# KiCad board fmc_memory_adapter.kicad_pcb (continued)
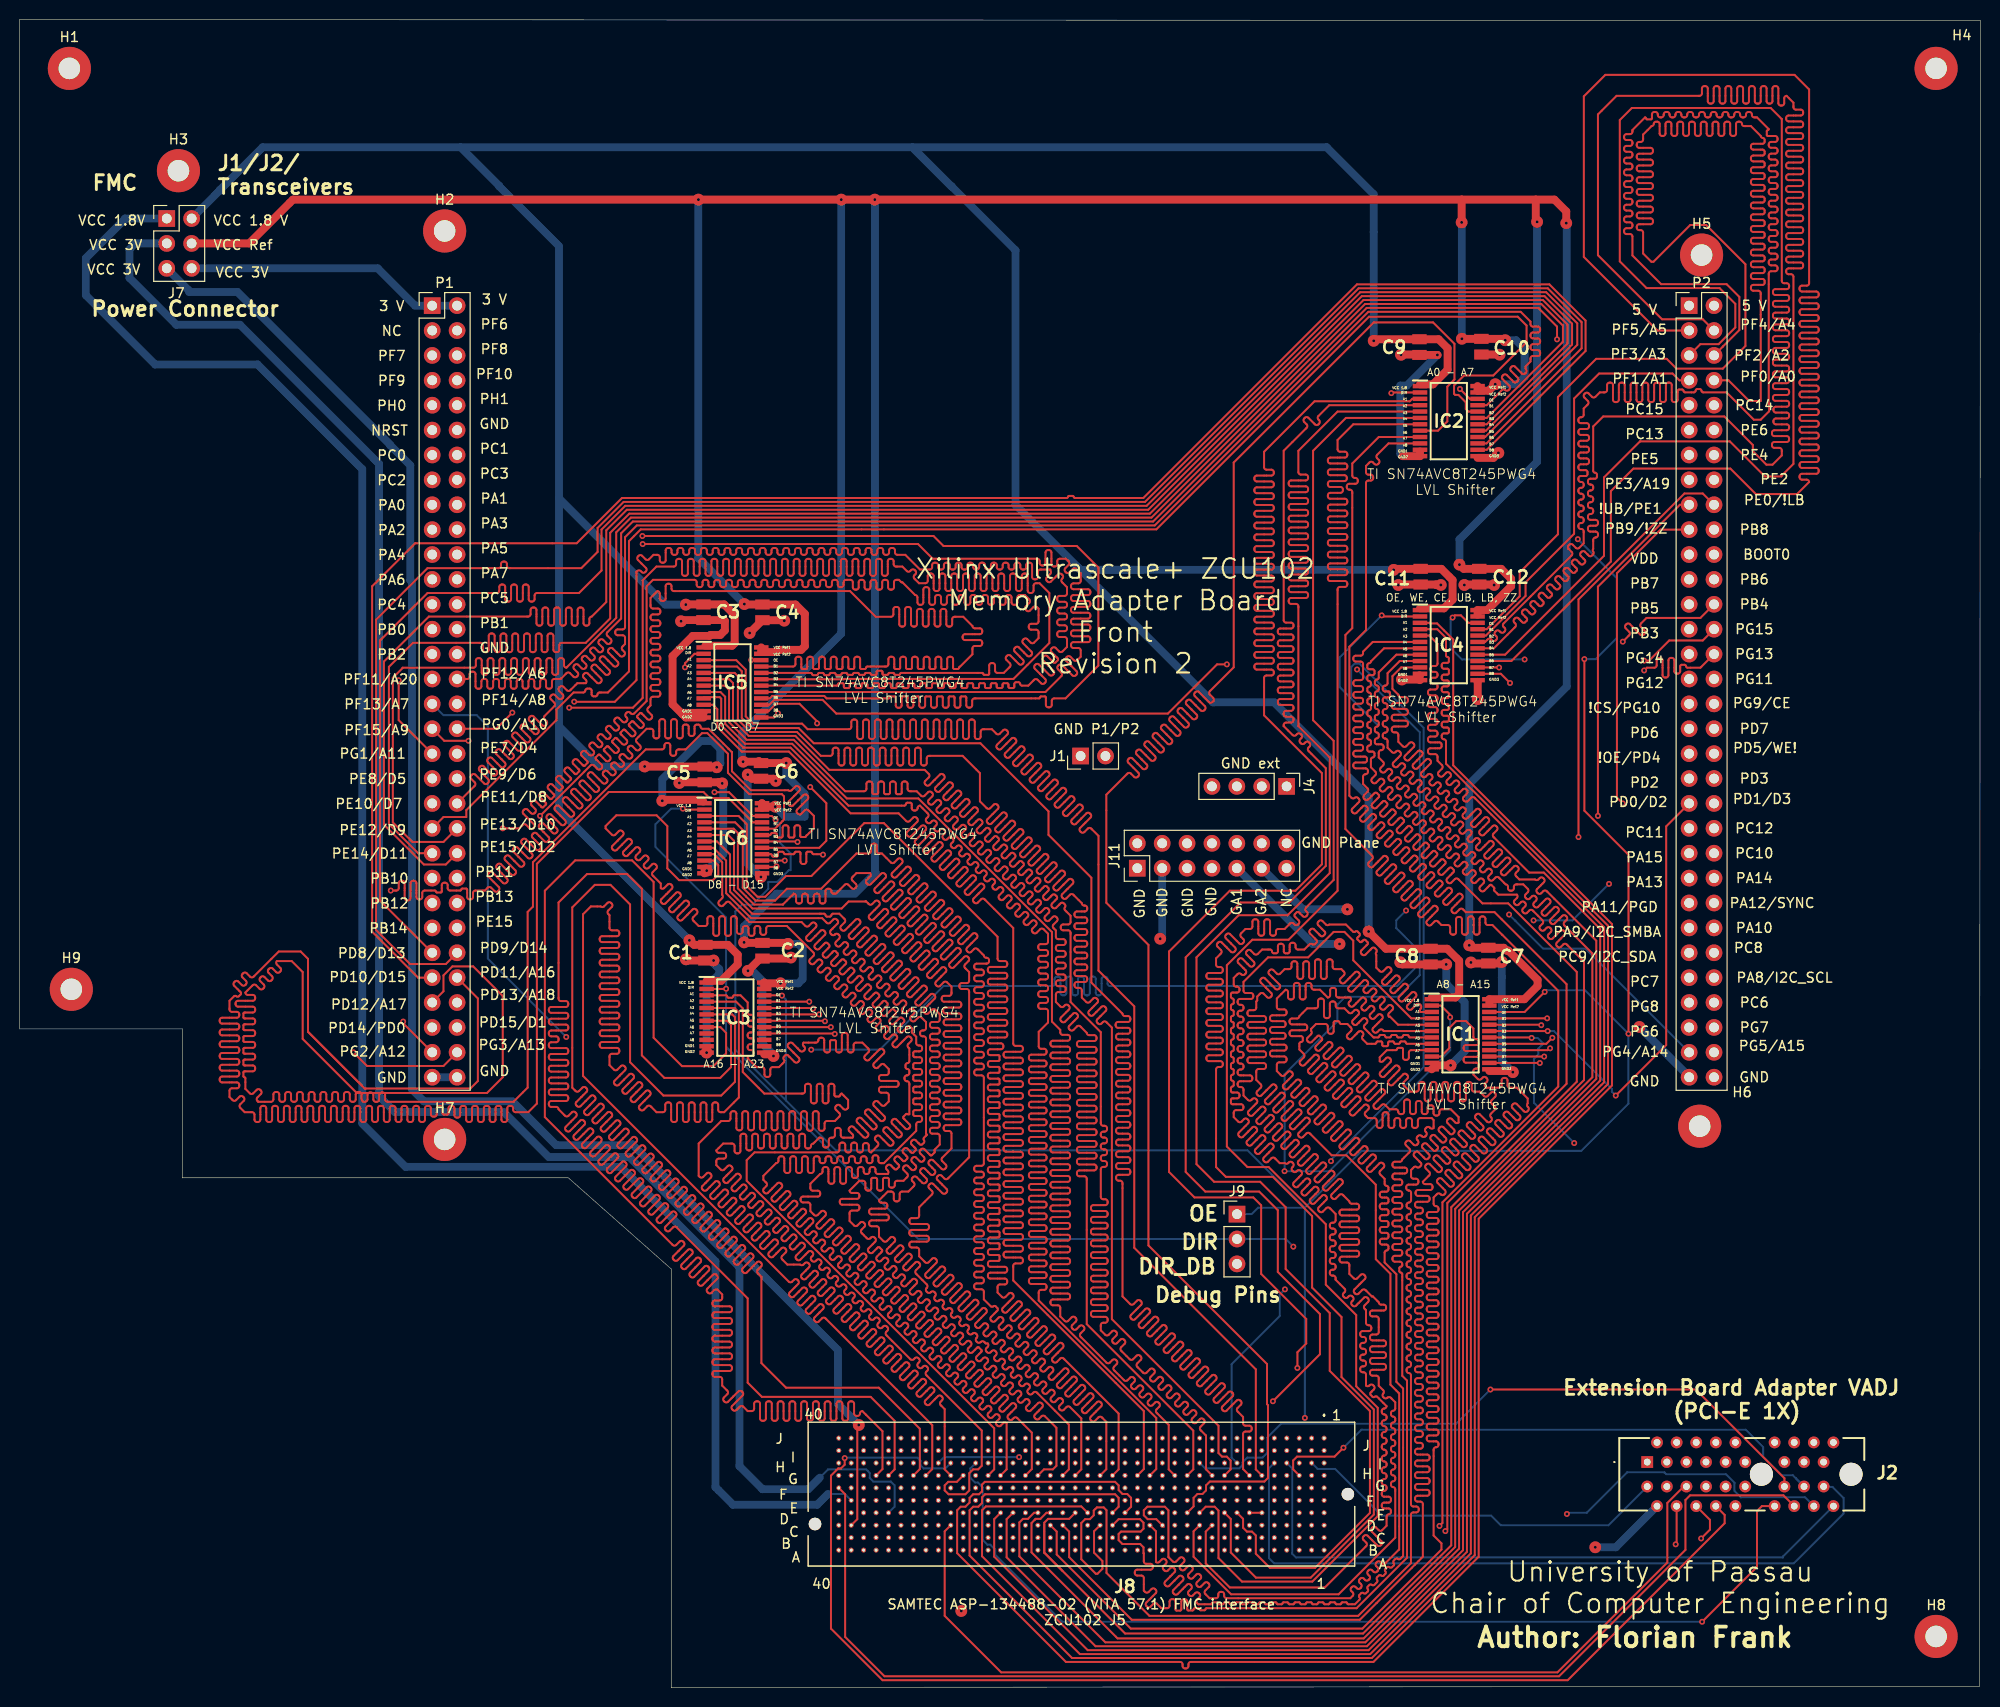
[diagram p0: board, top side]
## Routing (per net, layer and track width the routed paths; a pad name or vN(x,y) marks a point on that pad's centre or on a via; arc(x,y) is an arc through that point) (continued)
Net-(IC4-B7): length 196.9
  Top w0.2: IC4.15 150.98,104.09 v2(150.99,104.08) ; P1.32 45.69,102.91 arc(45.86,102.98) 45.93,103.15 45.93,103.41 arc(46,103.58) 46.17,103.65 46.29,103.65 arc(46.46,103.58) 46.53,103.41 46.53,102.16 arc(46.6,101.99) 46.77,101.92 46.89,101.92 arc(47.06,101.99) 47.13,102.16 47.13,102.67 arc(47.2,102.84) 47.37,102.91 47.49,102.91 arc(47.66,102.84) 47.73,102.67 47.73,102.16 arc(47.8,101.99) 47.97,101.92 48.09,101.92 arc(48.26,101.99) 48.33,102.16 48.33,102.67 arc(48.4,102.84) 48.57,102.91 48.69,102.91 arc(48.86,102.84) 48.93,102.67 48.93,102.16 arc(49,101.99) 49.17,101.92 49.29,101.92 arc(49.46,101.99) 49.53,102.16 49.53,102.67 arc(49.6,102.84) 49.77,102.91 49.89,102.91 arc(50.06,102.84) 50.13,102.67 50.13,102.16 arc(50.2,101.99) 50.37,101.92 50.49,101.92 arc(50.66,101.99) 50.73,102.16 50.73,102.67 arc(50.8,102.84) 50.97,102.91 51.09,102.91 arc(51.26,102.84) 51.33,102.67 51.33,102.16 arc(51.4,101.99) 51.57,101.92 51.69,101.92 arc(51.86,101.99) 51.93,102.16 51.93,102.67 arc(52,102.84) 52.17,102.91 52.29,102.91 arc(52.46,102.84) 52.53,102.67 52.53,102.16 arc(52.6,101.99) 52.77,101.92 52.89,101.92 arc(53.06,101.99) 53.13,102.16 53.13,102.67 arc(53.2,102.84) 53.37,102.91 53.49,102.91 arc(53.66,102.84) 53.73,102.67 53.73,102.16 arc(53.8,101.99) 53.97,101.92 54.09,101.92 arc(54.26,101.99) 54.33,102.16 54.33,102.67 arc(54.4,102.84) 54.57,102.91 55.22,102.91 55.82,103.51 arc(55.99,103.58) 56.16,103.51 56.52,103.15 arc(56.69,103.08) 56.86,103.15 56.94,103.23 arc(57.01,103.4) 56.94,103.57 56.58,103.94 arc(56.51,104.11) 56.58,104.28 56.67,104.36 arc(56.84,104.43) 57.01,104.36 57.37,104 arc(57.54,103.93) 57.71,104 57.79,104.08 arc(57.86,104.25) 57.79,104.42 57.43,104.78 arc(57.36,104.95) 57.43,105.12 57.52,105.21 arc(57.68,105.28) 57.85,105.21 58.22,104.85 arc(58.39,104.78) 58.56,104.85 58.64,104.93 arc(58.71,105.1) 58.64,105.27 58.28,105.63 arc(58.21,105.8) 58.28,105.97 58.36,106.06 arc(58.53,106.13) 58.7,106.06 59.07,105.69 arc(59.24,105.62) 59.41,105.69 59.49,105.78 arc(59.56,105.95) 59.49,106.12 59.13,106.48 arc(59.06,106.65) 59.13,106.82 59.21,106.91 arc(59.38,106.98) 59.55,106.91 59.91,106.54 arc(60.08,106.47) 60.25,106.54 60.34,106.63 arc(60.41,106.8) 60.34,106.97 59.98,107.33 arc(59.91,107.5) 59.98,107.67 61.39,109.08 61.39,117.78 62.59,118.98 115.67,118.98 137.47,140.78 154.99,140.78 156.9,138.87 v2(156.9,137.57)
  In2.Cu w0.2: v2(150.99,104.08) 161.09,114.18 161.09,133.38 v2(156.9,137.57)
Net-(IC4-B8): length 189.4
  Top w0.2: v2(152.1,102.5) 151.16,103.44 IC4.14
  In2.Cu w0.2: v2(80.79,65.08) 77.36,61.65 60.51,61.65 v2(55.79,66.38) ; v2(152.1,102.5) 153,101.6 153,100.3 141.49,88.79 v2(141.49,79.28)
  Bottom w0.2: v2(141.49,79.28) 140.49,78.28 140.49,77.48 142.39,75.58 142.39,73.38 140.59,71.58 111.26,71.58 arc(111.09,71.65) 111.02,71.82 111.02,72.29 arc(110.95,72.46) 110.78,72.53 110.66,72.53 arc(110.49,72.46) 110.42,72.29 110.42,70.86 arc(110.35,70.69) 110.18,70.62 110.06,70.62 arc(109.89,70.69) 109.82,70.86 109.82,72.29 arc(109.75,72.46) 109.58,72.53 109.46,72.53 arc(109.29,72.46) 109.22,72.29 109.22,70.86 arc(109.15,70.69) 108.98,70.62 108.86,70.62 arc(108.69,70.69) 108.62,70.86 108.62,72.29 arc(108.55,72.46) 108.38,72.53 108.26,72.53 arc(108.09,72.46) 108.02,72.29 108.02,70.86 arc(107.95,70.69) 107.78,70.62 107.66,70.62 arc(107.49,70.69) 107.42,70.86 107.42,72.29 arc(107.35,72.46) 107.18,72.53 107.06,72.53 arc(106.89,72.46) 106.82,72.29 106.82,70.86 arc(106.75,70.69) 106.58,70.62 106.46,70.62 arc(106.29,70.69) 106.22,70.86 106.22,72.29 arc(106.15,72.46) 105.98,72.53 105.86,72.53 arc(105.69,72.46) 105.62,72.29 105.62,71.82 arc(105.55,71.65) 105.38,71.58 94.29,71.58 87.79,65.08 v2(80.79,65.08) ; v2(55.79,66.38) 47.79,74.38 47.79,98.08 46.65,99.22 43.26,99.22 P1.33
Net-(IC5-A1): length 200.6
  Top w0.2: IC5.3 73.14,104.83 74.1,103.87 74.1,99.1 74.85,98.35 79.85,98.35 80.42,97.78 84.64,97.78 arc(84.81,97.85) 84.88,98.02 84.88,98.53 arc(84.95,98.7) 85.12,98.77 85.24,98.77 arc(85.41,98.7) 85.48,98.53 85.48,97.03 arc(85.55,96.86) 85.72,96.79 85.84,96.79 arc(86.01,96.86) 86.08,97.03 86.08,98.53 arc(86.15,98.7) 86.32,98.77 86.44,98.77 arc(86.61,98.7) 86.68,98.53 86.68,97.03 arc(86.75,96.86) 86.92,96.79 87.04,96.79 arc(87.21,96.86) 87.28,97.03 87.28,98.53 arc(87.35,98.7) 87.52,98.77 87.64,98.77 arc(87.81,98.7) 87.88,98.53 87.88,97.03 arc(87.95,96.86) 88.12,96.79 88.24,96.79 arc(88.41,96.86) 88.48,97.03 88.48,98.53 arc(88.55,98.7) 88.72,98.77 88.84,98.77 arc(89.01,98.7) 89.08,98.53 89.08,97.03 arc(89.15,96.86) 89.32,96.79 89.44,96.79 arc(89.61,96.86) 89.68,97.03 89.68,98.53 arc(89.75,98.7) 89.92,98.77 90.04,98.77 arc(90.21,98.7) 90.28,98.53 90.28,97.03 arc(90.35,96.86) 90.52,96.79 90.64,96.79 arc(90.81,96.86) 90.88,97.03 90.88,98.53 arc(90.95,98.7) 91.12,98.77 91.24,98.77 arc(91.41,98.7) 91.48,98.53 91.48,97.03 arc(91.55,96.86) 91.72,96.79 91.84,96.79 arc(92.01,96.86) 92.08,97.03 92.08,98.53 arc(92.15,98.7) 92.32,98.77 92.44,98.77 arc(92.61,98.7) 92.68,98.53 92.68,97.03 arc(92.75,96.86) 92.92,96.79 93.04,96.79 arc(93.21,96.86) 93.28,97.03 93.28,98.53 arc(93.35,98.7) 93.52,98.77 93.64,98.77 arc(93.81,98.7) 93.88,98.53 93.88,97.03 arc(93.95,96.86) 94.12,96.79 94.24,96.79 arc(94.41,96.86) 94.48,97.03 94.48,98.53 arc(94.55,98.7) 94.72,98.77 94.84,98.77 arc(95.01,98.7) 95.08,98.53 95.08,97.03 arc(95.15,96.86) 95.32,96.79 95.44,96.79 arc(95.61,96.86) 95.68,97.03 95.68,98.53 arc(95.75,98.7) 95.92,98.77 96.04,98.77 arc(96.21,98.7) 96.28,98.53 96.28,97.03 arc(96.35,96.86) 96.52,96.79 96.64,96.79 arc(96.81,96.86) 96.88,97.03 96.88,98.53 arc(96.95,98.7) 97.12,98.77 97.24,98.77 arc(97.41,98.7) 97.48,98.53 97.48,97.03 arc(97.55,96.86) 97.72,96.79 97.84,96.79 arc(98.01,96.86) 98.08,97.03 98.08,97.54 arc(98.15,97.71) 98.32,97.78 99.22,97.78 99.68,97.32 arc(99.85,97.25) 100.02,97.32 100.38,97.68 arc(100.55,97.75) 100.72,97.68 100.81,97.6 arc(100.88,97.43) 100.81,97.26 99.74,96.19 arc(99.67,96.02) 99.74,95.85 99.83,95.77 arc(100,95.7) 100.17,95.77 101.23,96.83 arc(101.4,96.9) 101.57,96.83 101.66,96.75 arc(101.73,96.58) 101.66,96.41 100.59,95.34 arc(100.52,95.18) 100.59,95.01 100.67,94.92 arc(100.84,94.85) 101.01,94.92 102.08,95.99 arc(102.25,96.06) 102.42,95.99 102.5,95.9 arc(102.57,95.73) 102.5,95.56 101.44,94.5 arc(101.37,94.33) 101.44,94.16 101.52,94.07 arc(101.69,94) 101.86,94.07 102.93,95.14 arc(103.1,95.21) 103.27,95.14 103.35,95.05 arc(103.42,94.88) 103.35,94.71 102.29,93.65 arc(102.22,93.48) 102.29,93.31 102.37,93.22 arc(102.54,93.15) 102.71,93.22 103.78,94.29 arc(103.95,94.36) 104.12,94.29 104.2,94.2 arc(104.27,94.03) 104.2,93.86 103.14,92.8 arc(103.07,92.63) 103.14,92.46 103.22,92.38 arc(103.39,92.3) 103.56,92.38 104.62,93.44 arc(104.79,93.51) 104.96,93.44 105.05,93.36 arc(105.12,93.19) 105.05,93.02 103.98,91.95 arc(103.91,91.78) 103.98,91.61 104.07,91.53 arc(104.24,91.46) 104.41,91.53 105.47,92.59 arc(105.64,92.66) 105.81,92.59 105.9,92.51 arc(105.97,92.34) 105.9,92.17 104.83,91.1 arc(104.76,90.93) 104.83,90.76 104.92,90.68 arc(105.09,90.61) 105.26,90.68 106.32,91.74 arc(106.49,91.81) 106.66,91.74 106.75,91.66 arc(106.82,91.49) 106.75,91.32 105.68,90.25 arc(105.61,90.08) 105.68,89.91 105.77,89.83 arc(105.94,89.76) 106.11,89.83 107.17,90.89 arc(107.34,90.96) 107.51,90.89 107.59,90.81 arc(107.67,90.64) 107.59,90.47 106.53,89.41 arc(106.46,89.24) 106.53,89.07 106.61,88.98 arc(106.78,88.91) 106.95,88.98 108.02,90.05 arc(108.19,90.12) 108.36,90.05 108.44,89.96 arc(108.51,89.79) 108.44,89.62 107.38,88.56 arc(107.31,88.39) 107.38,88.22 107.46,88.13 arc(107.63,88.06) 107.8,88.13 108.87,89.2 arc(109.04,89.27) 109.21,89.2 109.29,89.11 arc(109.36,88.94) 109.29,88.77 108.23,87.71 arc(108.16,87.54) 108.23,87.37 108.31,87.28 arc(108.48,87.21) 108.65,87.28 109.01,87.65 arc(109.18,87.72) 109.35,87.65 110.1,86.9 110.1,73.15 113.75,69.5 113.75,44.86 126.16,32.46 126.16,22.25 J8.G6
Net-(IC5-A2): length 200
  Top w0.2: J8.G7 124.86,22.28 124.86,25.87 arc(124.93,26.04) 125.1,26.11 125.49,26.11 arc(125.66,26.18) 125.73,26.35 125.73,26.47 arc(125.66,26.64) 125.49,26.71 125.1,26.71 arc(124.93,26.78) 124.86,26.95 124.86,27.6 124.29,28.17 arc(124.22,28.34) 124.29,28.51 124.64,28.86 arc(124.71,29.03) 124.64,29.2 124.55,29.29 arc(124.38,29.36) 124.21,29.29 123.17,28.24 arc(123,28.17) 122.83,28.24 122.75,28.33 arc(122.68,28.5) 122.75,28.67 123.79,29.71 arc(123.86,29.88) 123.79,30.05 123.71,30.13 arc(123.54,30.2) 123.37,30.13 122.32,29.09 arc(122.15,29.02) 121.98,29.09 121.9,29.18 arc(121.83,29.34) 121.9,29.51 122.94,30.56 arc(123.01,30.73) 122.94,30.9 122.86,30.98 arc(122.69,31.05) 122.52,30.98 121.47,29.94 arc(121.3,29.87) 121.13,29.94 121.05,30.02 arc(120.98,30.19) 121.05,30.36 122.09,31.41 arc(122.16,31.58) 122.09,31.75 122.01,31.83 arc(121.84,31.9) 121.67,31.83 120.62,30.79 arc(120.45,30.72) 120.29,30.79 120.2,30.87 arc(120.13,31.04) 120.2,31.21 121.24,32.26 arc(121.31,32.43) 121.24,32.6 121.16,32.68 arc(120.99,32.75) 120.82,32.68 119.78,31.64 arc(119.61,31.57) 119.44,31.64 119.35,31.72 arc(119.28,31.89) 119.35,32.06 120.4,33.1 arc(120.47,33.27) 120.4,33.44 120.31,33.53 arc(120.14,33.6) 119.97,33.53 118.93,32.48 arc(118.76,32.41) 118.59,32.48 118.5,32.57 arc(118.43,32.74) 118.5,32.91 119.55,33.95 arc(119.62,34.12) 119.55,34.29 119.46,34.38 arc(119.29,34.45) 119.12,34.38 118.08,33.33 arc(117.91,33.26) 117.74,33.33 117.65,33.42 arc(117.58,33.59) 117.65,33.76 118.7,34.8 arc(118.77,34.97) 118.7,35.14 118.61,35.23 arc(118.44,35.3) 118.27,35.23 117.23,34.18 arc(117.06,34.11) 116.89,34.18 116.81,34.27 arc(116.74,34.44) 116.81,34.61 117.85,35.65 arc(117.92,35.82) 117.85,35.99 117.77,36.07 arc(117.6,36.14) 117.43,36.07 116.38,35.03 arc(116.21,34.96) 116.04,35.03 115.96,35.11 arc(115.89,35.28) 115.96,35.45 117,36.5 arc(117.07,36.67) 117,36.84 116.92,36.92 arc(116.75,36.99) 116.58,36.92 115.53,35.88 arc(115.36,35.81) 115.19,35.88 115.11,35.96 arc(115.04,36.13) 115.11,36.3 116.15,37.35 arc(116.22,37.52) 116.15,37.69 116.07,37.77 arc(115.9,37.84) 115.73,37.77 114.68,36.73 arc(114.52,36.66) 114.35,36.73 114.26,36.81 arc(114.19,36.98) 114.26,37.15 115.3,38.2 arc(115.38,38.37) 115.3,38.53 115.22,38.62 arc(115.05,38.69) 114.88,38.62 113.84,37.58 arc(113.67,37.51) 113.5,37.58 113.41,37.66 arc(113.34,37.83) 113.41,38 114.46,39.04 arc(114.53,39.21) 114.46,39.38 114.37,39.47 arc(114.2,39.54) 114.03,39.47 113.68,39.12 arc(113.51,39.05) 113.34,39.12 112.55,39.91 112.55,51.47 arc(112.48,51.64) 112.31,51.71 112.14,51.71 arc(111.97,51.78) 111.9,51.95 111.9,52.07 arc(111.97,52.24) 112.14,52.31 113.11,52.31 arc(113.28,52.38) 113.35,52.55 113.35,52.67 arc(113.28,52.84) 113.11,52.91 112.14,52.91 arc(111.97,52.98) 111.9,53.15 111.9,53.27 arc(111.97,53.44) 112.14,53.51 113.11,53.51 arc(113.28,53.58) 113.35,53.75 113.35,53.87 arc(113.28,54.04) 113.11,54.11 112.14,54.11 arc(111.97,54.18) 111.9,54.35 111.9,54.47 arc(111.97,54.64) 112.14,54.71 113.11,54.71 arc(113.28,54.78) 113.35,54.95 113.35,55.07 arc(113.28,55.24) 113.11,55.31 112.14,55.31 arc(111.97,55.38) 111.9,55.55 111.9,55.67 arc(111.97,55.84) 112.14,55.91 113.11,55.91 arc(113.28,55.98) 113.35,56.15 113.35,56.27 arc(113.28,56.44) 113.11,56.51 112.14,56.51 arc(111.97,56.58) 111.9,56.75 111.9,56.87 arc(111.97,57.04) 112.14,57.11 113.11,57.11 arc(113.28,57.18) 113.35,57.35 113.35,57.47 arc(113.28,57.64) 113.11,57.71 112.14,57.71 arc(111.97,57.78) 111.9,57.95 111.9,58.07 arc(111.97,58.24) 112.14,58.31 113.11,58.31 arc(113.28,58.38) 113.35,58.55 113.35,58.67 arc(113.28,58.84) 113.11,58.91 112.14,58.91 arc(111.97,58.98) 111.9,59.15 111.9,59.27 arc(111.97,59.44) 112.14,59.51 113.11,59.51 arc(113.28,59.58) 113.35,59.75 113.35,59.87 arc(113.28,60.04) 113.11,60.11 112.14,60.11 arc(111.97,60.18) 111.9,60.35 111.9,60.47 arc(111.97,60.64) 112.14,60.71 113.11,60.71 arc(113.28,60.78) 113.35,60.95 113.35,61.07 arc(113.28,61.24) 113.11,61.31 112.14,61.31 arc(111.97,61.38) 111.9,61.55 111.9,61.67 arc(111.97,61.84) 112.14,61.91 113.11,61.91 arc(113.28,61.98) 113.35,62.15 113.35,62.27 arc(113.28,62.44) 113.11,62.51 112.14,62.51 arc(111.97,62.58) 111.9,62.75 111.9,62.87 arc(111.97,63.04) 112.14,63.11 113.11,63.11 arc(113.28,63.18) 113.35,63.35 113.35,63.47 arc(113.28,63.64) 113.11,63.71 112.14,63.71 arc(111.97,63.78) 111.9,63.95 111.9,64.07 arc(111.97,64.24) 112.14,64.31 113.11,64.31 arc(113.28,64.38) 113.35,64.55 113.35,64.67 arc(113.28,64.84) 113.11,64.91 112.14,64.91 arc(111.97,64.98) 111.9,65.15 111.9,65.27 arc(111.97,65.44) 112.14,65.51 113.11,65.51 arc(113.28,65.58) 113.35,65.75 113.35,65.87 arc(113.28,66.04) 113.11,66.11 112.14,66.11 arc(111.97,66.18) 111.9,66.35 111.9,66.47 arc(111.97,66.64) 112.14,66.71 113.11,66.71 arc(113.28,66.78) 113.35,66.95 113.35,67.07 arc(113.28,67.24) 113.11,67.31 112.09,67.31 arc(111.92,67.38) 111.85,67.55 111.85,67.67 arc(111.92,67.84) 112.09,67.91 113.11,67.91 arc(113.28,67.98) 113.35,68.15 113.35,68.27 arc(113.28,68.44) 113.11,68.51 112.79,68.51 arc(112.62,68.58) 112.55,68.75 109.38,71.92 109.38,82.62 105,87 105,89.4 98.05,96.35 81.05,96.35 79.5,97.9 74.73,97.9 73.7,98.93 73.7,103.7 73.22,104.18 IC5.4
Net-(IC5-A3): length 200
  Top w0.2: IC5.5 72.97,103.53 73.3,103.2 73.3,98.77 74.57,97.5 79.33,97.5 81.77,95.07 82.73,95.07 arc(82.9,95.14) 82.97,95.31 82.97,95.66 arc(83.04,95.83) 83.21,95.9 83.33,95.9 arc(83.5,95.83) 83.57,95.66 83.57,94.32 arc(83.64,94.15) 83.81,94.08 83.93,94.08 arc(84.1,94.15) 84.17,94.32 84.17,95.66 arc(84.24,95.83) 84.41,95.9 84.53,95.9 arc(84.7,95.83) 84.77,95.66 84.77,94.32 arc(84.84,94.15) 85.01,94.08 85.13,94.08 arc(85.3,94.15) 85.37,94.32 85.37,95.66 arc(85.44,95.83) 85.61,95.9 85.73,95.9 arc(85.9,95.83) 85.97,95.66 85.97,94.32 arc(86.04,94.15) 86.21,94.08 86.33,94.08 arc(86.5,94.15) 86.57,94.32 86.57,95.66 arc(86.64,95.83) 86.81,95.9 86.93,95.9 arc(87.1,95.83) 87.17,95.66 87.17,94.32 arc(87.24,94.15) 87.41,94.08 87.53,94.08 arc(87.7,94.15) 87.77,94.32 87.77,95.66 arc(87.84,95.83) 88.01,95.9 88.13,95.9 arc(88.3,95.83) 88.37,95.66 88.37,94.32 arc(88.44,94.15) 88.61,94.08 88.73,94.08 arc(88.9,94.15) 88.97,94.32 88.97,95.66 arc(89.04,95.83) 89.21,95.9 89.33,95.9 arc(89.5,95.83) 89.57,95.66 89.57,94.32 arc(89.64,94.15) 89.81,94.08 89.93,94.08 arc(90.1,94.15) 90.17,94.32 90.17,95.66 arc(90.24,95.83) 90.41,95.9 90.53,95.9 arc(90.7,95.83) 90.77,95.66 90.77,94.32 arc(90.84,94.15) 91.01,94.08 91.13,94.08 arc(91.3,94.15) 91.37,94.32 91.37,95.66 arc(91.44,95.83) 91.61,95.9 91.73,95.9 arc(91.9,95.83) 91.97,95.66 91.97,94.32 arc(92.04,94.15) 92.21,94.08 92.33,94.08 arc(92.5,94.15) 92.57,94.32 92.57,94.83 arc(92.64,95) 92.81,95.07 96.23,95.07 98,93.3 98,90.43 98.71,89.72 arc(98.88,89.65) 99.05,89.72 99.41,90.09 arc(99.58,90.16) 99.75,90.09 99.84,90 arc(99.91,89.83) 99.84,89.66 98.76,88.59 arc(98.69,88.42) 98.76,88.25 98.85,88.16 arc(99.02,88.09) 99.19,88.16 100.26,89.24 arc(100.43,89.31) 100.6,89.24 100.69,89.15 arc(100.76,88.98) 100.69,88.81 99.61,87.74 arc(99.54,87.57) 99.61,87.4 99.7,87.32 arc(99.87,87.25) 100.04,87.32 101.11,88.39 arc(101.28,88.46) 101.45,88.39 101.54,88.31 arc(101.61,88.14) 101.54,87.97 100.46,86.89 arc(100.39,86.72) 100.46,86.55 100.55,86.47 arc(100.72,86.4) 100.89,86.47 101.96,87.54 arc(102.13,87.61) 102.3,87.54 102.38,87.46 arc(102.45,87.29) 102.38,87.12 101.31,86.04 arc(101.24,85.87) 101.31,85.7 101.39,85.62 arc(101.56,85.55) 101.73,85.62 102.81,86.69 arc(102.98,86.76) 103.15,86.69 103.23,86.61 arc(103.3,86.44) 103.23,86.27 102.16,85.19 arc(102.09,85.02) 102.16,84.85 102.24,84.77 arc(102.41,84.7) 102.58,84.77 103.66,85.84 arc(103.83,85.92) 104,85.84 104.08,85.76 arc(104.15,85.59) 104.08,85.42 103.01,84.35 arc(102.94,84.18) 103.01,84.01 103.09,83.92 arc(103.26,83.85) 103.43,83.92 104.51,85 arc(104.68,85.07) 104.85,85 104.93,84.91 arc(105,84.74) 104.93,84.57 103.86,83.5 arc(103.78,83.33) 103.86,83.16 103.94,83.07 arc(104.11,83) 104.28,83.07 105.35,84.15 arc(105.52,84.22) 105.69,84.15 105.78,84.06 arc(105.85,83.89) 105.78,83.72 104.7,82.65 arc(104.63,82.48) 104.7,82.31 104.79,82.22 arc(104.96,82.15) 105.13,82.22 106.2,83.3 arc(106.37,83.37) 106.54,83.3 106.63,83.21 arc(106.7,83.04) 106.63,82.88 105.55,81.8 arc(105.48,81.63) 105.55,81.46 105.64,81.38 arc(105.81,81.31) 105.98,81.38 107.05,82.45 arc(107.22,82.52) 107.39,82.45 107.48,82.37 arc(107.55,82.2) 107.48,82.03 106.4,80.95 arc(106.33,80.78) 106.4,80.61 106.49,80.53 arc(106.66,80.46) 106.82,80.53 107.19,80.9 arc(107.36,80.97) 107.53,80.9 108.4,80.03 arc(108.47,79.86) 108.64,79.79 108.71,79.79 arc(108.88,79.72) 108.95,79.55 108.95,79.43 arc(108.88,79.26) 108.71,79.19 107.89,79.19 arc(107.72,79.12) 107.65,78.95 107.65,78.83 arc(107.72,78.66) 107.89,78.59 108.71,78.59 arc(108.88,78.52) 108.95,78.35 108.95,78.23 arc(108.88,78.06) 108.71,77.99 107.89,77.99 arc(107.72,77.92) 107.65,77.75 107.65,77.63 arc(107.72,77.46) 107.89,77.39 108.71,77.39 arc(108.88,77.32) 108.95,77.15 108.95,77.03 arc(108.88,76.86) 108.71,76.79 107.89,76.79 arc(107.72,76.72) 107.65,76.55 107.65,76.43 arc(107.72,76.26) 107.89,76.19 108.71,76.19 arc(108.88,76.12) 108.95,75.95 108.95,75.83 arc(108.88,75.66) 108.71,75.59 107.89,75.59 arc(107.72,75.52) 107.65,75.35 107.65,75.23 arc(107.72,75.06) 107.89,74.99 108.71,74.99 arc(108.88,74.92) 108.95,74.75 108.95,74.63 arc(108.88,74.46) 108.71,74.39 107.89,74.39 arc(107.72,74.32) 107.65,74.15 107.65,74.03 arc(107.72,73.86) 107.89,73.79 108.71,73.79 arc(108.88,73.72) 108.95,73.55 108.95,73.43 arc(108.88,73.26) 108.71,73.19 107.89,73.19 arc(107.72,73.12) 107.65,72.95 107.65,72.83 arc(107.72,72.66) 107.89,72.59 108.71,72.59 arc(108.88,72.52) 108.95,72.35 108.95,72.23 arc(108.88,72.06) 108.71,71.99 107.89,71.99 arc(107.72,71.92) 107.65,71.75 107.65,71.63 arc(107.72,71.46) 107.89,71.39 108.16,71.39 arc(108.33,71.32) 108.4,71.15 108.4,70.4 108.86,69.94 arc(109.03,69.87) 109.2,69.94 109.57,70.31 arc(109.74,70.38) 109.91,70.31 109.99,70.22 arc(110.06,70.05) 109.99,69.88 109.13,69.02 arc(109.06,68.85) 109.13,68.68 109.21,68.6 arc(109.38,68.53) 109.55,68.6 110.42,69.46 arc(110.58,69.53) 110.75,69.46 110.84,69.37 arc(110.91,69.2) 110.84,69.04 109.98,68.17 arc(109.91,68) 109.98,67.83 110.06,67.75 arc(110.23,67.68) 110.4,67.75 110.56,67.9 arc(110.73,67.97) 110.9,67.9 111.47,67.33 111.47,37.58 122.35,26.7 122.35,23.91 122.71,23.55 123.19,23.55 123.59,23.16 123.59,22.25 J8.G9
Net-(IC5-A4): length 200.1
  Top w0.2: 121.7,21.7 J8.G10 121.08,22.25 121.08,25.7 120.51,26.26 arc(120.44,26.43) 120.51,26.6 120.88,26.97 arc(120.95,27.14) 120.88,27.31 120.8,27.39 arc(120.63,27.46) 120.46,27.39 120.09,27.02 arc(119.92,26.95) 119.75,27.02 119.66,27.11 arc(119.59,27.28) 119.66,27.45 120.03,27.81 arc(120.1,27.98) 120.03,28.15 119.95,28.24 arc(119.78,28.31) 119.61,28.24 119.24,27.87 arc(119.07,27.8) 118.9,27.87 118.82,27.96 arc(118.75,28.13) 118.82,28.3 119.18,28.66 arc(119.25,28.83) 119.18,29 119.1,29.09 arc(118.93,29.16) 118.76,29.09 118.39,28.72 arc(118.22,28.65) 118.05,28.72 117.97,28.8 arc(117.9,28.97) 117.97,29.14 118.34,29.51 arc(118.41,29.68) 118.34,29.85 118.25,29.94 arc(118.08,30.01) 117.91,29.94 117.54,29.57 arc(117.37,29.5) 117.2,29.57 117.12,29.65 arc(117.05,29.82) 117.12,29.99 117.49,30.36 arc(117.56,30.53) 117.49,30.7 117.4,30.78 arc(117.23,30.85) 117.06,30.78 116.69,30.42 arc(116.53,30.35) 116.36,30.42 116.27,30.5 arc(116.2,30.67) 116.27,30.84 116.64,31.21 arc(116.71,31.38) 116.64,31.55 116.55,31.63 arc(116.38,31.7) 116.21,31.63 115.85,31.27 arc(115.68,31.2) 115.51,31.27 115.42,31.35 arc(115.35,31.52) 115.42,31.69 115.79,32.06 arc(115.86,32.23) 115.79,32.4 115.7,32.48 arc(115.54,32.55) 115.37,32.48 115,32.11 arc(114.83,32.04) 114.66,32.11 114.05,32.72 arc(113.98,32.89) 114.05,33.06 114.42,33.43 arc(114.49,33.6) 114.42,33.77 114.33,33.85 arc(114.16,33.92) 113.99,33.85 113.63,33.49 arc(113.46,33.42) 113.29,33.49 112.41,34.37 arc(112.34,34.54) 112.41,34.71 112.77,35.07 arc(112.84,35.24) 112.77,35.41 112.69,35.5 arc(112.52,35.57) 112.35,35.5 111.98,35.13 arc(111.81,35.06) 111.64,35.13 111.56,35.21 arc(111.49,35.38) 111.56,35.55 111.93,35.92 arc(112,36.09) 111.93,36.26 111.84,36.35 arc(111.67,36.42) 111.5,36.35 111.13,35.98 arc(110.96,35.91) 110.79,35.98 110.33,36.44 110.33,36.98 arc(110.4,37.15) 110.57,37.22 110.79,37.22 arc(110.96,37.29) 111.03,37.46 111.03,37.58 arc(110.96,37.75) 110.79,37.82 109.57,37.82 arc(109.4,37.89) 109.33,38.06 109.33,38.18 arc(109.4,38.35) 109.57,38.42 110.79,38.42 arc(110.96,38.49) 111.03,38.66 111.03,38.78 arc(110.96,38.95) 110.79,39.02 109.57,39.02 arc(109.4,39.09) 109.33,39.26 109.33,39.38 arc(109.4,39.55) 109.57,39.62 110.79,39.62 arc(110.96,39.69) 111.03,39.86 111.03,39.98 arc(110.96,40.15) 110.79,40.22 109.57,40.22 arc(109.4,40.29) 109.33,40.46 109.33,40.58 arc(109.4,40.75) 109.57,40.82 110.79,40.82 arc(110.96,40.89) 111.03,41.06 111.03,41.18 arc(110.96,41.35) 110.79,41.42 109.57,41.42 arc(109.4,41.49) 109.33,41.66 109.33,41.78 arc(109.4,41.95) 109.57,42.02 110.79,42.02 arc(110.96,42.09) 111.03,42.26 111.03,42.38 arc(110.96,42.55) 110.79,42.62 109.57,42.62 arc(109.4,42.69) 109.33,42.86 109.33,42.98 arc(109.4,43.15) 109.57,43.22 110.79,43.22 arc(110.96,43.29) 111.03,43.46 111.03,43.58 arc(110.96,43.75) 110.79,43.82 109.57,43.82 arc(109.4,43.89) 109.33,44.06 109.33,44.18 arc(109.4,44.35) 109.57,44.42 110.79,44.42 arc(110.96,44.49) 111.03,44.66 111.03,44.78 arc(110.96,44.95) 110.79,45.02 109.57,45.02 arc(109.4,45.09) 109.33,45.26 109.33,45.38 arc(109.4,45.55) 109.57,45.62 110.79,45.62 arc(110.96,45.69) 111.03,45.86 111.03,45.98 arc(110.96,46.15) 110.79,46.22 109.57,46.22 arc(109.4,46.29) 109.33,46.46 109.33,46.58 arc(109.4,46.75) 109.57,46.82 110.79,46.82 arc(110.96,46.89) 111.03,47.06 111.03,47.18 arc(110.96,47.35) 110.79,47.42 109.57,47.42 arc(109.4,47.49) 109.33,47.66 109.33,47.78 arc(109.4,47.95) 109.57,48.02 110.79,48.02 arc(110.96,48.09) 111.03,48.26 111.03,48.38 arc(110.96,48.55) 110.79,48.62 109.57,48.62 arc(109.4,48.69) 109.33,48.86 109.33,48.98 arc(109.4,49.15) 109.57,49.22 110.79,49.22 arc(110.96,49.29) 111.03,49.46 111.03,49.58 arc(110.96,49.75) 110.79,49.82 110.57,49.82 arc(110.4,49.89) 110.33,50.06 110.33,52.88 arc(110.4,53.05) 110.57,53.12 110.73,53.12 arc(110.9,53.19) 110.97,53.36 110.97,53.48 arc(110.9,53.65) 110.73,53.72 110.57,53.72 arc(110.4,53.79) 110.33,53.96 110.33,54.08 arc(110.4,54.25) 110.57,54.32 110.73,54.32 arc(110.9,54.39) 110.97,54.56 110.97,54.68 arc(110.9,54.85) 110.73,54.92 110.57,54.92 arc(110.4,54.99) 110.33,55.16 110.33,55.28 arc(110.4,55.45) 110.57,55.52 110.73,55.52 arc(110.9,55.59) 110.97,55.76 110.97,55.88 arc(110.9,56.05) 110.73,56.12 110.57,56.12 arc(110.4,56.19) 110.33,56.36 110.33,56.48 arc(110.4,56.65) 110.57,56.72 110.73,56.72 arc(110.9,56.79) 110.97,56.96 110.97,57.08 arc(110.9,57.25) 110.73,57.32 110.57,57.32 arc(110.4,57.39) 110.33,57.56 110.33,66.87 107.25,69.95 107.25,77.02 arc(107.18,77.19) 107.01,77.26 106.49,77.26 arc(106.32,77.33) 106.25,77.5 106.25,77.62 arc(106.32,77.79) 106.49,77.86 107.01,77.86 arc(107.18,77.93) 107.25,78.1 107.25,78.75 106.67,79.33 arc(106.62,79.47) 106.67,79.61 arc(106.73,79.75) 106.67,79.89 106.53,80.03 arc(106.39,80.09) 106.25,80.03 105.78,79.57 arc(105.61,79.5) 105.44,79.57 105.36,79.65 arc(105.29,79.82) 105.36,79.99 105.83,80.46 arc(105.88,80.6) 105.83,80.74 105.68,80.88 arc(105.54,80.94) 105.4,80.88 104.94,80.41 arc(104.77,80.34) 104.6,80.41 104.51,80.5 arc(104.44,80.67) 104.51,80.84 104.98,81.31 arc(105.04,81.45) 104.98,81.59 104.84,81.73 arc(104.69,81.79) 104.55,81.73 104.09,81.26 arc(103.92,81.19) 103.75,81.26 103.66,81.35 arc(103.59,81.52) 103.66,81.69 104.13,82.15 arc(104.19,82.3) 104.13,82.44 103.99,82.58 arc(103.85,82.64) 103.7,82.58 103.24,82.11 arc(103.07,82.04) 102.9,82.11 102.81,82.2 arc(102.74,82.37) 102.81,82.54 103.28,83 arc(103.34,83.14) 103.28,83.29 103.14,83.43 arc(103,83.49) 102.86,83.43 102.39,82.96 arc(102.22,82.89) 102.05,82.96 101.97,83.04 arc(101.9,83.21) 101.97,83.38 102.43,83.85 arc(102.49,83.99) 102.43,84.13 102.29,84.28 arc(102.15,84.33) 102.01,84.28 101.54,83.81 arc(101.37,83.74) 101.2,83.81 101.12,83.89 arc(101.05,84.06) 101.12,84.23 101.58,84.7 arc(101.64,84.84) 101.58,84.98 101.44,85.12 arc(101.3,85.18) 101.16,85.12 100.69,84.66 arc(100.52,84.59) 100.35,84.66 100.27,84.74 arc(100.2,84.91) 100.27,85.08 100.74,85.55 arc(100.79,85.69) 100.74,85.83 100.59,85.97 arc(100.45,86.03) 100.31,85.97 99.84,85.51 arc(99.67,85.44) 99.5,85.51 99.42,85.59 arc(99.35,85.76) 99.42,85.93 99.89,86.4 arc(99.95,86.54) 99.89,86.68 99.75,86.82 arc(99.6,86.88) 99.46,86.82 99,86.35 arc(98.83,86.28) 98.66,86.35 98.57,86.44 arc(98.5,86.61) 98.57,86.78 99.04,87.24 arc(99.1,87.39) 99.04,87.53 98.9,87.67 arc(98.76,87.73) 98.61,87.67 98.15,87.2 arc(97.98,87.13) 97.81,87.2 97.72,87.29 arc(97.65,87.46) 97.72,87.63 98.21,88.11 arc(98.27,88.27) 98.21,88.43 98.1,88.54 arc(97.94,88.6) 97.78,88.54 97.3,88.05 arc(97.13,87.98) 96.96,88.05 96.87,88.14 arc(96.8,88.31) 96.87,88.48 97.74,89.34 arc(97.81,89.51) 97.74,89.68 97.65,89.76 arc(97.48,89.83) 97.31,89.76 96.45,88.9 arc(96.28,88.83) 96.11,88.9 96.03,88.98 arc(95.96,89.15) 96.03,89.32 96.89,90.19 arc(96.96,90.36) 96.89,90.53 96.8,90.61 arc(96.63,90.68) 96.46,90.61 95.6,89.75 arc(95.43,89.68) 95.26,89.75 95.18,89.83 arc(95.11,90) 95.18,90.17 96.04,91.03 arc(96.11,91.2) 96.04,91.37 95.96,91.46 arc(95.79,91.53) 95.62,91.46 94.75,90.6 arc(94.58,90.53) 94.41,90.6 94.33,90.68 arc(94.26,90.85) 94.33,91.02 95.19,91.88 arc(95.26,92.05) 95.19,92.22 95.11,92.31 arc(94.94,92.38) 94.77,92.31 93.9,91.45 arc(93.73,91.37) 93.56,91.45 93.48,91.53 arc(93.41,91.7) 93.48,91.87 94.34,92.73 arc(94.41,92.9) 94.34,93.07 94.26,93.16 arc(94.09,93.23) 93.92,93.16 92.84,92.08 arc(92.67,92.01) 92.5,92.08 92.42,92.17 arc(92.35,92.34) 92.42,92.51 92.79,92.87 arc(92.86,93.04) 92.79,93.21 92.37,93.63 82.63,93.63 79.17,97.1 74.4,97.1 72.8,98.7 72.8,102.5 72.42,102.88 IC5.6